# Altium PCB PCB5_制版20140402.PcbDoc (part 1 of 5) (continued)
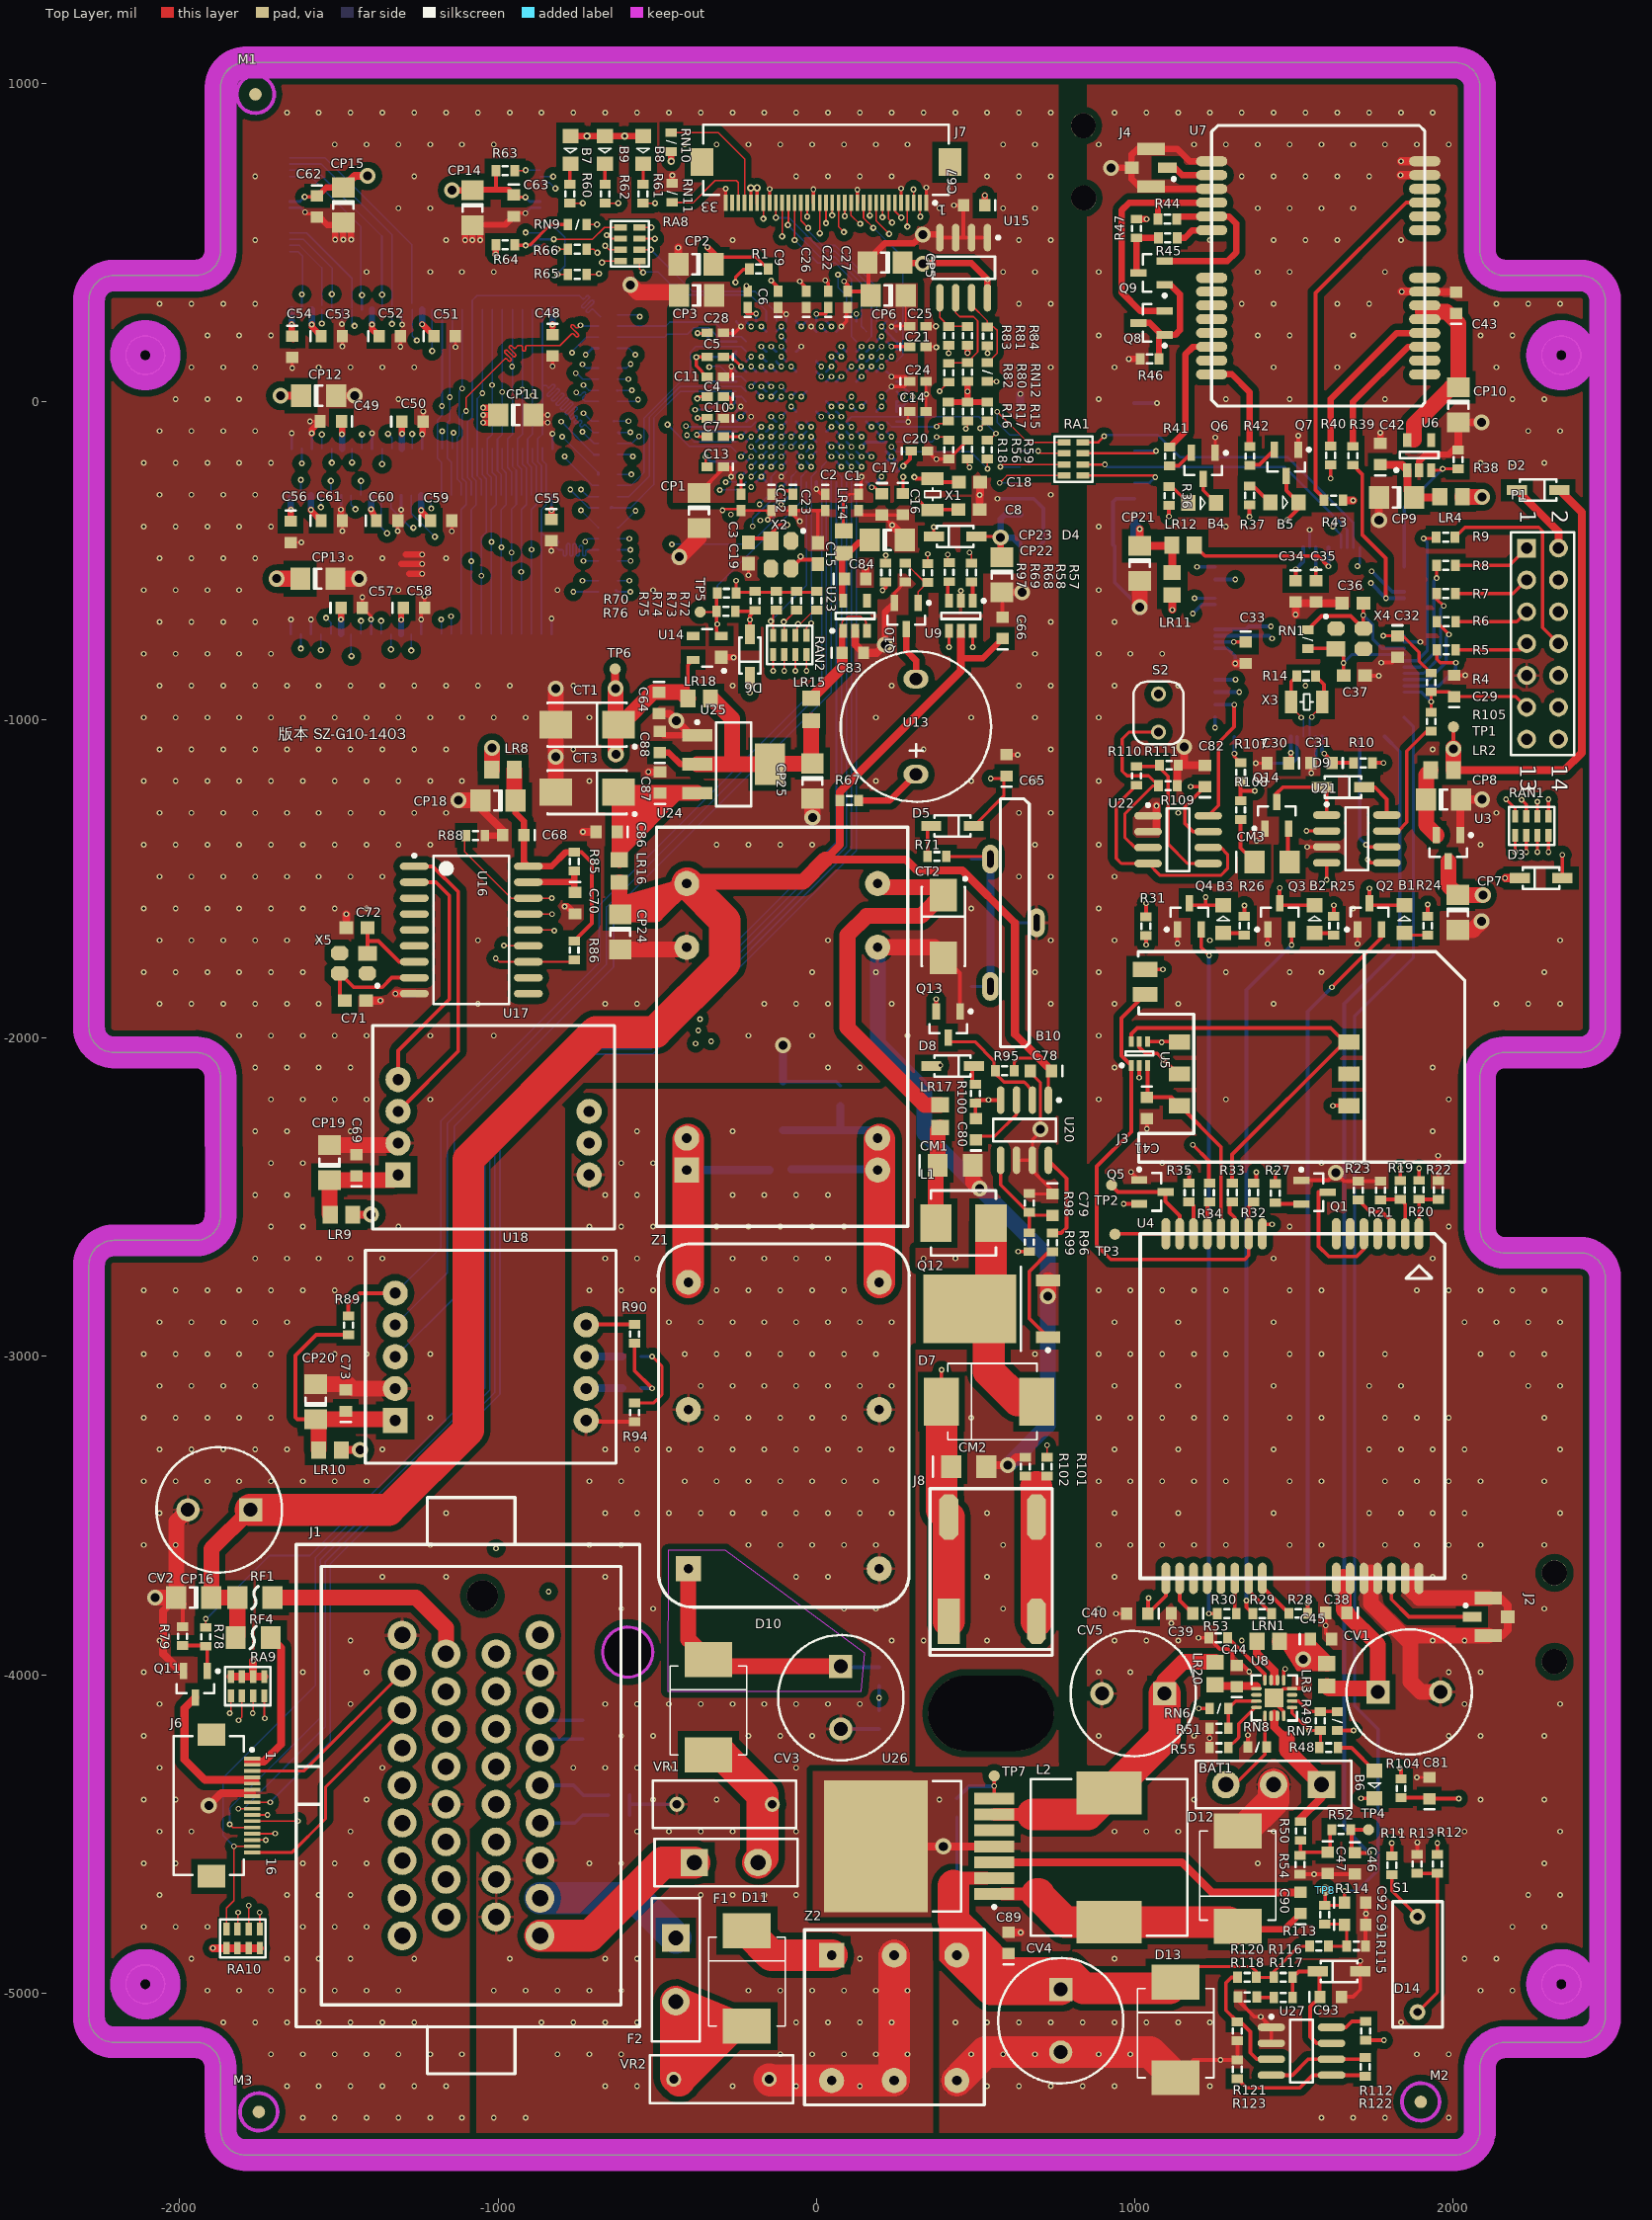
[diagram p0: Top Layer view]
## Components (designator, comment, footprint, x,y, rotation, side; value= is the part's Value field where it differs from the comment)
B1 "RED" 0805LED 1847.76,-1625.96 r90 top
B2 "GREEN" 0805LED 1565.76,-1625.96 r90 top
B3 "RED" 0805LED 1278.76,-1625.96 r90 top
B4 "GREEN" 0805LED 1211.76,-318.23 r0 top
B5 "RED" 0805LED 1470.76,-316.23 r0 top
B6 "RED" 0805LED 1753.76,-4345.23 r270 top
B7 "GREEN" 0805LED -772.64,791.06 r270 top
B8 "GREEN" 0805LED -544.27,791.06 r270 top
B9 "GREEN" 0805LED -664.34,791.06 r270 top
B10 "BATTERY" BR2032-1GV 546.76,-1437.23 r270 top
BAT1 "18650/5000mAH/3.7V" BAT_3 1586.76,-4345.23 r180 top
C1 "C1005X7R1H104K" 1005[0402]C 132.76,-316.28 r270 top
C2 "C1005X7R1H104K" 1005[0402]C 28,-316 r270 top
C3 "C1005X7R1H104K" 1005[0402]C -236.24,-316.28 r270 top
C4 "C1005X7R1H104K" 1005[0402]C -317.24,15.42 r180 top
C5 "C1005X7R1H104K" 1005[0402]C -317.24,140.54 r180 top
C6 "C1005X7R1H104K" 1005[0402]C -215.5,321 r90 top
C7 "C1005X7R1H104K" 1005[0402]C -317.24,-110.46 r180 top
C8 "C1608C0G1H150J" 1608[0603] 480,-339 r0 top
C9 "C1005X7R1H104K" 1005[0402]C -120.5,321 r90 top
C10 "C1005X7R1H104K" 1005[0402]C -317.24,-52.58 r180 top
C11 "C1005X7R1H104K" 1005[0402]C -317.24,77.54 r180 top
C12 "C1005X7R1H104K" 1005[0402]C -141.24,-316.28 r270 top
C13 "C1005X7R1H104K" 1005[0402]C -317.24,-204.72 r180 top
C14 "C1005X7R1H104K" 1005[0402]C 319.45,-30.51 r0 top
C15 "C1608C0G1H150J" 1608[0603] 4.76,-477.23 r90 top
C16 "C1608X7R1H222K" 1608[0603]C 272,-322 r270 top
C17 "C1608X7R1H681K" 1608[0603]C 206,-323 r270 top
C18 "C1608C0G1H150J" 1608[0603] 481,-253 r0 top
C19 "C1608C0G1H150J" 1608[0603] -213.24,-476.23 r270 top
C20 "C1005X7R1H104K" 1005[0402]C 323.76,-155.23 r0 top
C21 "C1005X7R1H104K" 1005[0402]C 319.45,172.74 r0 top
C22 "C1005X7R1H104K" 1005[0402]C 37.5,321 r90 top
C23 "C1005X7R1H104K" 1005[0402]C -73.24,-316.28 r270 top
C24 "C1005X7R1H104K" 1005[0402]C 319.45,63.98 r0 top
C25 "C1005X7R1H104K" 1005[0402]C 319.45,236.72 r0 top
C26 "C1005X7R1H104K" 1005[0402]C -31.5,321 r90 top
C27 "C1005X7R1H104K" 1005[0402]C 98.5,321 r90 top
C28 "C1005X7R1H104K" 1005[0402]C -317.24,216.72 r180 top
C29 "C1608X7R1H104K" 1608[0603]C 2003.76,-893.23 r90 top
C30 "C1608X7R1H104K" 1608[0603]C 1450,-1136 r180 top
C31 "C1608X7R1H104K" 1608[0603]C 1587,-1135 r180 top
C32 "C1608X7R1H104K" 1608[0603]C 1826,-770 r270 top
C33 "C1608X7R1H104K" 1608[0603]C 1349,-789 r270 top
C34 "C1608X7R1H104K" 1608[0603]C 1505.76,-596.23 r270 top
C35 "C1608X7R1H104K" 1608[0603]C 1570,-596 r270 top
C36 "C1608C0G1H150J" 1608[0603] 1685,-633 r180 top
C37 "C1608C0G1H150J" 1608[0603] 1690,-861 r0 top
C38 "C1608X7R1H104K" 1608[0603]C 1634,-3806 r180 top
C39 "C1608X7R1H104K" 1608[0603]C 1148.76,-3807.23 r180 top
C40 "C1608X7R1H104K" 1608[0603]C 1008.76,-3808.23 r180 top
C41 "C1608X7R1H104K" 1608[0603]C 1038.76,-2219.23 r270 top
C42 "C1608X7R1H104K" 1608[0603]C 1772,-165 r90 top
C43 "C1608X7R1H104K" 1608[0603]C 2010,311 r90 top
C44 "C1608X7R1H104K" 1608[0603]C 1321,-4004 r90 top
C45 "C1608X7R1H104K" 1608[0603]C 1585.76,-3888.23 r0 top
C46 "C1608X7R1H104K" 1608[0603]C 1692,-4593 r270 top
C47 "C1608X7R1H104K" 1608[0603]C 1607,-4591 r270 top
C48 "C1608X7R1H104K" 1608[0603]C -828.5,177 r270 top
C49 "C1608X7R1H104K" 1608[0603]C -1525.5,-62 r180 top
C50 "C1608X7R1H104K" 1608[0603]C -1268.5,-62.5 r0 top
C51 "C1608X7R1H104K" 1608[0603]C -1167.5,206 r0 top
C52 "C1608X7R1H104K" 1608[0603]C -1340.5,206 r0 top
C53 "C1608X7R1H104K" 1608[0603]C -1522.5,206 r0 top
C54 "C1608X7R1H104K" 1608[0603]C -1646.5,172 r270 top
C55 "C1608X7R1H104K" 1608[0603]C -832.5,-404 r270 top
C56 "C1608X7R1H104K" 1608[0603]C -1651.5,-409 r270 top
C57 "C1608X7R1H104K" 1608[0603]C -1459.5,-648 r0 top
C58 "C1608X7R1H104K" 1608[0603]C -1264.5,-648 r0 top
C59 "C1608X7R1H104K" 1608[0603]C -1178.5,-374 r0 top
C60 "C1608X7R1H104K" 1608[0603]C -1348.5,-374 r0 top
C61 "C1608X7R1H104K" 1608[0603]C -1522.5,-374 r0 top
C62 "C1608X7R1H104K" 1608[0603]C -1568.87,612.75 r270 top
C63 "C1608X7R1H104K" 1608[0603]C -950.76,615.71 r270 top
C64 "C1608X7R1H104K" 1608[0603]C -494,-947 r270 top
C65 "C1608X7R1H104K" 1608[0603]C 598,-1143 r90 top
C66 "C1608X7R1H104K" 1608[0603]C 585,-711 r90 top
C67 "C1608X7R1H104K" 1608[0603]C 495.76,616.77 r180 top
C68 "C1608X7R1H104K" 1608[0603]C -952,-1362 r180 top
C69 "C1608X7R1H104K" 1608[0603]C -1445,-2399 r90 top
C70 "C1608X7R1H104K" 1608[0603]C -758,-1576 r270 top
C71 "C1608C0G1H150J" 1608[0603] -1448,-1882 r0 top
C72 "C1608C0G1H150J" 1608[0603] -1443,-1653 r180 top
C73 "C1608X7R1H104K" 1608[0603]C -1478,-3139 r90 top
C74 "C1608X7R1H681K" 1608[0603]C -620.05,-4378.39 r0 bottom
C75 "C1608X7R1H681K" 1608[0603]C -621.04,-4441.38 r0 bottom
C76 "C1608X7R1H104K" 1608[0603]C 971,-455 r180 bottom
C77 "C1608X7R1H104K" 1608[0603]C 672,-448 r0 bottom
C78 "C1608X7R1H104K" 1608[0603]C 706,-2103 r180 top
C79 "C1608X7R1H104K" 1608[0603]C 742,-2523 r270 top
C80 "C1608X7R1H104K" 1608[0603]C 501,-2286 r90 top
C81 "C1608X7R1H104K" 1608[0603]C 1926,-4356 r90 top
C82 "C1608X7R1H104K" 1608[0603]C 1220.76,-1176.23 r90 top
C83 "C1608X7R1H104K" 1608[0603]C 114.76,-789.23 r0 top
C84 "C1608X7R1H104K" 1608[0603]C 121.54,-557 r0 top
C85 "C1608X7R1H104K" 1608[0603]C -111.24,-2412.23 r0 bottom
C86 "C1608X7R1H104K" 1608[0603]C -659,-1352 r180 top
C87 "C1608X7R1H104K" 1608[0603]C -491,-1197 r90 top
C88 "C1608X7R1H104K" 1608[0603]C -492,-1069 r90 top
C89 "C1608X7R1H104K" 1608[0603]C 604,-4843 r90 top
C90 "C1608X7R1H104K" 1608[0603]C 1521,-4717 r90 top
C91 "C1608X7R1H104K" 1608[0603]C 1693,-4786 r0 top
C92 "C1608X7R1H104K" 1608[0603]C 1693,-4716 r0 top
C93 "C1608X7R1H104K" 1608[0603]C 1616,-5012 r0 top
CM1 "GRM31CR71H475KA12L" 3216[1206]C 436,-2399 r0 top
CM2 "GRM31CR71H475KA12L" 3216[1206]C 478.76,-3346.23 r0 top
CM3 "GRM31CR71H475KA12L" 3216[1206]C 1431.76,-1446.23 r0 top
CM4 "1812HC102MAZ1A" 4532[1812]CA -105,-2213 r270 bottom
CP1 "TAJA106K016RNJ" 3216[1206]CB -369,-342 r270 top
CP2 "TAJA106K016RNJ" 3216[1206]CB -378.24,431.72 r180 top
CP3 "TAJA106K016RNJ" 3216[1206]CB -376.24,333.72 r180 top
CP5 "TAJA106K016RNJ" 3216[1206]CB 216,437 r180 top
CP6 "TAJA106K016RNJ" 3216[1206]CB 225.64,333.77 r180 top
CP7 "TAJA106K016RNJ" 3216[1206]CB 2015.76,-1605.11 r270 top
CP8 "TAJA106K016RNJ" 3216[1206]CB 1970.76,-1250.23 r0 top
CP9 "TAJA106K016RNJ" 3216[1206]CB 1823,-301 r180 top
CP10 "TAJA106K016RNJ" 3216[1206]CB 2016.76,-10.23 r270 top
CP11 "TAJA106K016RNJ" 3216[1206]CB -944.5,-42 r0 top
CP12 "TAJA106K016RNJ" 3216[1206]CB -1563.24,18.72 r0 top
CP13 "TAJA106K016RNJ" 3216[1206]CB -1566.24,-556.28 r0 top
CP14 "TAJA106K016RNJ" 3216[1206]CB -1080,609 r270 top
CP15 "TAJA106K016RNJ" 3216[1206]CB -1486,618 r270 top
CP16 "TAJA106K016RNJ" 3216[1206]CB -1956,-3758 r180 top
CP18 "TAJA106K016RNJ" 3216[1206]CB -1000,-1253 r180 top
CP19 "TAJA106K016RNJ" 3216[1206]CB -1530,-2391 r90 top
CP20 "TAJA106K016RNJ" 3216[1206]CB -1573,-3142 r90 top
CP21 "TAJA106K016RNJ" 3216[1206]CB 1016,-508 r270 top
CP22 "TAJA106K016RNJ" 3216[1206]CB 583,-544 r270 top
CP23 "TAJA106K016RNJ" 3216[1206]CB 222.88,-435 r0 top
CP24 "10uF/16V" 3216[1206]CB -616,-1666 r270 top
CP25 "10uF/16V" 3216[1206]CB -12.24,-1192.23 r270 top
CT1 "TAJC107K016RNJ" 6032[2312]CC -720,-1015 r180 top
CT2 "TAJC107K016RNJ" 6032[2312]CC 399,-1649 r270 top
CT3 "TAJC107K016RNJ" 6032[2312]CC -720,-1227 r180 top
CV1 "EEUFC1A122" CAPPR5-10X20/H1.1 1862.76,-4054.23 r0 top
CV2 "EEU-FM1V221" CAPPR5-10X20/H1.1 -1876,-3482 r180 top
CV3 "EEU-FM1H271" CAPPR5-10X20/H1.1 76.76,-4072.28 r270 top
CV4 "EEU-FM1H271" CAPPR5-10X20/H1.1 767.76,-5087.23 r270 top
CV5 "EEU-FM1V221" CAPPR5-10X20/H1.1 995.76,-4059.23 r180 top
D2 "1N4148W-V-GS08" SOD123 2268,-278 r0 top
D3 "1N4148W-V-GS08" SOD123 2277,-1497 r180 top
D4 "1N4148W-V-GS08" SOD123 436,-424 r180 top
D5 "1N4148W-V-GS08" SOD123 427.76,-1333.23 r0 top
D6 "1N4148W-V-GS08" SOD123 -209,-798 r270 top
D7 "SS36-E3/57T" DO-214AB/SMC 543,-3142 r180 top
D8 "1N4148W-V-GS08" SOD123 428,-2087 r0 top
D9 "1N4148W-V-GS08" SOD123 1654.76,-1211.23 r0 top
D10 "IN5408" DO-214AB/SMC -339.24,-4102.23 r90 top
D11 "IN5408" DO-214AB/SMC -218.24,-4954.23 r90 top
D12 "SS36-E3/57T" DO-214AB/SMC 1324,-4641 r270 top
D13 "SMCJ48A-E3/57T" DO-214AB/SMC 1128.76,-5116.23 r90 top
D14 "1N4148W-V-GS08" SOD123 1642,-4932 r180 top
F1 "60R090XU" FUS-0.2 -283.24,-4590.23 r0 top
F2 "72R090XU" FUS-0.2 -441.24,-4927.23 r270 top
J1 "2-6447232-3" 2-6447232-3 -1084.62,-4348.58 r270 top locked
J2 "MHF Plug" MHF[MCB3]-V4 2111,-3818 r270 top
J3 "MUP-C745" MUP-C745 1141.26,-2212.23 r90 top
J4 "MHF Plug" MHF[MCB3]-V4 1052,735 r90 top
J6 "1-1734592-6" FFC/SM0.5-2H16 -1837,-4411 r270 top
J7 "FFC33" FFC/SM0.5-2H33 30.38,688.42 r180 top
J8 "JST" JST 553.76,-3668.23 r180 top
L1 "SLF6045T-220M1R1-3PF" INDP5050X28N 462,-2581 r0 top
L2 "B82477P4683M000" INDP125125X85N 919.76,-4574.23 r90 top
LR2 "MPZ2012S221A" 2012[0805] 1966,-1158 r180 top
LR3 "MPZ2012S221A" 2012[0805] 1603.76,-4000.23 r270 top
LR4 "MPZ2012S221A" 2012[0805] 1994,-299 r180 top
LR8 "MPZ2012S221A" 2012[0805] -984,-1156 r0 top
LR9 "MPZ2012S221A" 2012[0805] -1492,-2555 r180 top
LR10 "MPZ2012S221A" 2012[0805] -1528,-3294 r180 top
LR11 "MPZ2012S221A" 2012[0805] 1118,-572 r270 top
LR12 "MPZ2012S221A" 2012[0805] 1152,-451 r180 top
LR14 "MPZ2012S221A" 2012[0805] 86,-441 r90 top
LR15 "MPZ2012S221A" 2012[0805] -16.24,-967.23 r270 top
LR16 "MPZ2012S221A" 2012[0805] -619,-1475 r90 top
LR17 "MPZ2012S221A" 2012[0805] 389,-2245 r270 top
LR18 "MPZ2012S221A" 2012[0805] -368,-933 r180 top
LR20 "MPZ2012S221A" 2012[0805] 1253,-3996 r270 top
LRN1 "MPZ2012S221A" 2012[0805] 1419.76,-3895.23 r0 top
M1 "MARK" MARK -1762.24,965.72 r0 top
M2 "MARK" MARK 1899,-5342 r0 top
M3 "MARK" MARK -1751.67,-5373.64 r0 top
P1 "0-281272-1" HDR2X7 2231.76,-460.23 r270 top
Q1 "2N3904" SOT23_N 1565,-2484 r0 top
Q2 "2N3904" SOT23_N 1737.76,-1617.23 r90 top
Q3 "2N3904" SOT23_N 1455.76,-1617.23 r90 top
Q4 "2N3904" SOT23_N 1171.76,-1617.23 r90 top
Q5 "2N3904" SOT23_N 1055.76,-2483.23 r0 top
Q6 "2N3904" SOT23_N 1215.76,-202.23 r270 top
Q7 "2N3904" SOT23_N 1476.76,-192.23 r270 top
Q8 "MMBT3906LT1G" SOT23_N 1053,247 r180 top
Q9 "MMBT3906LT1G" SOT23_N 1053,404 r180 top
Q10 "SI2302CDS-T1-E3" SOT23_N 282.6,-673.34 r270 top
Q11 "SI2302CDS-T1-E3" SOT23_N -1951,-4030 r270 top
Q12 "STU3030" TO-252AA_N 550.76,-2850.23 r180 top
Q13 "2N3904" SOT23_N 414,-1957 r270 top
Q14 "2N3904" SOT23_N 1447,-1300 r90 top
R1 "CRCW060310K0FKEA" 1608[0603]R -181.24,416.72 r180 top
R4 "CRCW060310K0FKEA" 1608[0603]R 1931.76,-882.23 r270 top
R5 "CRCW06031K00FKEA" 1608[0603]R 1979.06,-780 r0 top
R6 "CRCW06031K00FKEA" 1608[0603]R 1979,-691.5 r180 top
R7 "CRCW06031K00FKEA" 1608[0603]R 1978,-603 r180 top
R8 "CRCW06031K00FKEA" 1608[0603]R 1978,-514.5 r180 top
R9 "CRCW06031K00FKEA" 1608[0603]R 1977,-426 r180 top
R10 "CRCW06030000ZSTA" 1608[0603]R 1718,-1135 r180 top
R11 "CRCW0603300KFKEA" 1608[0603]R 1808,-4598.7 r270 top
R12 "CRCW06031K00FKEA" 1608[0603]R 1951,-4594.7 r270 top
R13 "CRCW06031M00FKEA" 1608[0603]R 1888,-4594.7 r270 top
R14 "CRCW06031M00FKEA" 1608[0603]R 1539,-862 r0 top
R15 "CRCW060310K0FKEA" 1608[0603]R 536.76,-31 r270 top
R16 "CRCW060310K0FKEA" 1608[0603]R 414.76,-31 r270 top
R17 "CRCW060310K0FKEA" 1608[0603]R 475,-31 r270 top
R18 "CRCW060310K0FKEA" 1608[0603]R 415.76,-151 r270 top
R19 "CRCW06031K00FKEA" 1608[0603]R 1834.76,-2477.23 r270 top
R20 "CRCW06031K00FKEA" 1608[0603]R 1893.76,-2476.23 r270 top
R21 "CRCW060310K0FKEA" 1608[0603]R 1772.76,-2478.23 r90 top
R22 "CRCW060310K0FKEA" 1608[0603]R 1953.76,-2477.23 r90 top
R23 "CRCW06030000ZSTA" 1608[0603]R 1702.76,-2478.23 r270 top
R24 "CRCW060310K0FKEA" 1608[0603]R 1920.76,-1646.76 r90 top
R25 "CRCW060310K0FKEA" 1608[0603]R 1625.76,-1646.76 r90 top
R26 "CRCW060310K0FKEA" 1608[0603]R 1344.76,-1646.76 r90 top
R27 "CRCW060310K0FKEA" 1608[0603]R 1442.11,-2487 r270 top
R28 "CRCW060310K0FKEA" 1608[0603]R 1514.28,-3807.23 r0 top
R29 "CRCW060310K0FKEA" 1608[0603]R 1400.76,-3808.23 r180 top
R30 "CRCW060310K0FKEA" 1608[0603]R 1289.76,-3808.23 r180 top
R31 "CRCW060310K0FKEA" 1608[0603]R 1035.76,-1648.23 r270 top
R32 "CRCW0603100KFKEA" 1608[0603]R 1374.33,-2485 r270 top
R33 "CRCW060322R0FKEA" 1608[0603]R 1306.55,-2485 r90 top
R34 "CRCW060322R0FKEA" 1608[0603]R 1235,-2485 r90 top
R35 "CRCW060322R0FKEA" 1608[0603]R 1171,-2485 r90 top
R36 "CRCW060310K0FKEA" 1608[0603]R 1108,-296 r270 top
R37 "CRCW060310K0FKEA" 1608[0603]R 1361,-295 r270 top
R38 "CRCW0603100KFKEA" 1608[0603]R 2016,-182 r90 top
R39 "CRCW06031K00FKEA" 1608[0603]R 1686,-170 r270 top
R40 "CRCW06031K00FKEA" 1608[0603]R 1616,-169 r270 top
R41 "CRCW060310K0FKEA" 1608[0603]R 1110,-172 r270 top
R42 "CRCW060310K0FKEA" 1608[0603]R 1362,-171 r270 top
R43 "CRCW060310K0FKEA" 1608[0603]R 1625,-310 r0 top
R44 "CRCW060322R0FKEA" 1608[0603]R 1103,574 r0 top
R45 "CRCW060310K0FKEA" 1608[0603]R 1104,515 r180 top
R46 "CRCW060310K0FKEA" 1608[0603]R 1047,134 r0 top
R47 "CRCW0603100KFKEA" 1608[0603]R 1006,544 r90 top
R48 "CRCW060310K0FKEA" 1608[0603]R 1609.76,-4229.23 r0 top
R49 "CRCW0603100KFKEA" 1608[0603]R 1583.76,-4145.23 r90 top
R50 "CRCW06031M00FKEA" 1608[0603]R 1521,-4491 r90 top
R51 "CRCW060310K0FKEA" 1608[0603]R 1265.23,-4167.73 r180 top
R52 "CRCW06031K00FKEA" 1608[0603]R 1649,-4487 r180 top
R53 "CRCW06031K00FKEA" 1608[0603]R 1262.76,-3884.23 r180 top
R54 "CRCW06031M00FKEA" 1608[0603]R 1520,-4597 r90 top
R55 "CRCW06031K00FKEA" 1608[0603]R 1265.23,-4229.23 r180 top
R56 "CRCW0603300KFKEA" 1608[0603]R 475,-150 r90 top
R57 "CRCW060322R0FKEA" 1608[0603]R 487,-537 r270 top
R58 "CRCW060322R0FKEA" 1608[0603]R 417,-536 r270 top
R59 "CRCW06031K00FKEA" 1608[0603]R 537.76,-151 r90 top
R60 "CRCW060310K0FKEA" 1608[0603]R -774.61,653.27 r270 top
R61 "CRCW060310K0FKEA" 1608[0603]R -544.76,653.27 r270 top
R62 "CRCW060310K0FKEA" 1608[0603]R -663.36,653.27 r270 top
R63 "CRCW060310K0FKEA" 1608[0603]R -977.34,725.94 r0 top
R64 "CRCW060310K0FKEA" 1608[0603]R -977.34,492.68 r0 top
R65 "CRCW060322R0FKEA" 1608[0603]R -750.96,400.16 r0 top
R66 "CRCW060322R0FKEA" 1608[0603]R -750.96,478.4 r0 top
R67 "CRCW06030000ZSTA" 1608[0603]R 103.76,-1253.23 r180 top
R68 "CRCW060322R0FKEA" 1608[0603]R 350,-538 r270 top
R69 "CRCW060310K0FKEA" 1608[0603]R 280,-537 r270 top
R70 "CRCW060310K0FKEA" 1608[0603]R -282,-602 r180 top
R71 "CRCW060310K0FKEA" 1608[0603]R 378.76,-1429.23 r180 top
R72 "CRCW060310K0FKEA" 1608[0603]R 1.76,-625.28 r270 top
R73 "CRCW060310K0FKEA" 1608[0603]R -62.24,-625.28 r270 top
R74 "CRCW060310K0FKEA" 1608[0603]R -126.24,-625.28 r270 top
R75 "CRCW060310K0FKEA" 1608[0603]R -192,-626 r270 top
R76 "CRCW0603120RFKEA" 1608[0603]R -284,-659 r180 top
R78 "CRCW060322R0FKEA" 1608[0603]R -1918.05,-3881 r90 top
R79 "CRCW060310K0FKEA" 1608[0603]R -1991,-3879 r90 top
R80 "CRCW06031K00FKEA" 1608[0603]R 475,92.77 r90 top
R81 "CRCW06031K00FKEA" 1608[0603]R 475,206.77 r90 top
R82 "CRCW060322R0FKEA" 1608[0603]R 415.76,90.77 r270 top
R83 "CRCW060322R0FKEA" 1608[0603]R 415.76,206.77 r270 top
R84 "CRCW060310K0FKEA" 1608[0603]R 537.76,205.24 r90 top
R85 "CRCW060310K0FKEA" 1608[0603]R -760,-1445 r90 top
R86 "CRCW060310K0FKEA" 1608[0603]R -761,-1724 r270 top
R87 "CRCW0603120RFKEA" 1608[0603]R -734.23,-4172.68 r270 bottom
R88 "CRCW060310K0FKEA" 1608[0603]R -1071,-1363 r0 top
R89 "CRCW060310K0FKEA" 1608[0603]R -1470,-2902 r90 top
R90 "CRCW06031K00FKEA" 1608[0603]R -571,-2929 r90 top
R91 "CRCW060322R0FKEA" 1608[0603]R -580.3,-2999.93 r180 bottom
R92 "CRCW0603120RFKEA" 1608[0603]R -731.27,-4408.9 r270 bottom
R93 "CRCW060322R0FKEA" 1608[0603]R -580.3,-3100 r180 bottom
R94 "CRCW06031K00FKEA" 1608[0603]R -571,-3176 r270 top
R95 "CRCW0603300KFKEA" 1608[0603]R 592,-2102 r180 top
R96 "CRCW060322R0FKEA" 1608[0603]R 742,-2642 r90 top
R97 "CRCW060310K0FKEA" 1608[0603]R 218,-537 r270 top
R98 "CRCW060315K0FKEA" 1608[0603]R 669,-2518 r270 top
R99 "CRCW0603300KFKEA" 1608[0603]R 669,-2641 r90 top
R100 "CRCW0603300KFKEA" 1608[0603]R 500,-2174 r90 top
R101 "CRCW060310K0FKEA" 1608[0603]R 724.76,-3346.23 r270 top
R102 "CRCW06032R00FKEA" 1608[0603]R 656.76,-3346.23 r90 top
R103 "CRCW0603100KFKEA" 1608[0603]R 197.22,-4006.13 r270 bottom
R104 "CRCW06031K00FKEA" 1608[0603]R 1837,-4357 r270 top
R105 "CRCW0603120RFKEA" 1608[0603]R 1931.76,-1005.23 r90 top
R106 "CRCW060315K0FKEA" 1608[0603]R 197.22,-4140.6 r270 bottom
R107 "CRCW060310KFKEA" 1608[0603]R 1332.76,-1164.23 r90 top
R108 "CRCW06031K00FKEA" 1608[0603]R 1332.76,-1283.23 r270 top
R109 "CRCW060315K0FKEA" 1608[0603]R 1104.76,-1207.23 r0 top
R110 "CRCW060310K0FKEA" 1608[0603]R 1005.76,-1175.76 r270 top
R111 "CRCW060310K0FKEA" 1608[0603]R 1107.76,-1142.23 r0 top
R112 "CRCW060322R0FKEA" 1608[0603]R 1726,-5119 r270 top
R113 "CRCW06031M00FKEA" 1608[0603]R 1579,-4853 r180 top
R114 "CRCW06031K00FKEA" 1608[0603]R 1597,-4754 r90 top
R115 "CRCW0603100KFKEA" 1608[0603]R 1696,-4852 r180 top
R116 "CRCW0603100KFKEA" 1608[0603]R 1467,-4951 r180 top
R117 "CRCW060315K0FKEA" 1608[0603]R 1467,-5014 r180 top
R118 "CRCW060315K0FKEA" 1608[0603]R 1354,-5013 r180 top
R119 "CRCW06031M00FKEA" 1608[0603]R 76,-2180.47 r90 bottom
R120 "CRCW0603249KFKEA" 1608[0603]R 1353,-4951 r0 top
R121 "CRCW060315K0FKEA" 1608[0603]R 1323,-5120 r270 top
R122 "CRCW060310K0FKEA" 1608[0603]R 1724,-5232 r90 top
R123 "CRCW060310K0FKEA" 1608[0603]R 1323,-5240 r90 top
RA1 "CRA06S08322R0JTA" R-AR4 808,-180 r90 top
RA2 "CRA06S08322R0JTA" R-AR4 -655.13,220.14 r270 bottom
RA3 "CRA06S08322R0JTA" R-AR4 -655.13,53.08 r270 bottom
RA4 "CRA06S08322R0JTA" R-AR4 -655.13,-113.98 r270 bottom
RA5 "CRA06S08322R0JTA" R-AR4 -655.13,-281.04 r270 bottom
RA6 "CRA06S08322R0JTA" R-AR4 -655.13,-448.1 r270 bottom
RA7 "CRA06S08322R0JTA" R-AR4 -655.13,-615.16 r270 bottom
RA8 "CRA06S08322R0JTA" R-AR4 -585.6,494.64 r270 top
RA9 "CRA06S08310K0JTA" R-AR4 -1787,-4036 r180 top
RA10 "CRA06S08310K0JTA" R-AR4 -1801,-4829 r0 top
RAN1 "CRA06S08322R0JTA" R-AR4 2248,-1333 r0 top
RAN2 "CRA06S08322R0JTA" R-AR4 -83.24,-764.23 r0 top
RF1 "0805L050WR" 2012[0805]F -1764,-3758 r0 top
RF4 "0805L050WR" 2012[0805]F -1769,-3883 r180 top
RN1 "CRCW06031M00FKEA" 1608[0603]RN 1544,-746 r90 top
RN6 "CRCW060310K0FKEA" 1608[0603]RN 1265.23,-4106.23 r0 top
RN7 "CRCW060310K0FKEA" 1608[0603]RN 1636.76,-4145.23 r270 top
RN8 "CRCW060310K0FKEA" 1608[0603]RN 1385.76,-4227.23 r180 top
RN9 "CRCW060322R0FKEA" 1608[0603]RN -750.96,556.65 r0 top
RN10 "CRCW06030000ZSTA" 1608[0603]RN -455.68,815.51 r90 top
RN11 "CRCW06030000ZSTA" 1608[0603]RN -452.73,656.06 r90 top
RN12 "CRCW060322R0FKEA" 1608[0603]RN 537.76,92.77 r270 top
RN13 "CRCW060310K0FKEA" 1608[0603]RN 441.76,-4418.23 r90 bottom
S1 "SW-420" SW-420 1889,-4910 r90 top
S2 "GM4526" GM4526 1074.76,-978.23 r90 top
TP1 "TP" TP 2002,-1022 r90 top
TP2 "TP" TP 928,-2461 r90 top
TP3 "TP" TP 938,-2616 r90 top
TP4 "TP" TP 1735,-4487 r90 top
TP5 "TP" TP -365,-661 r90 top
TP6 "TP" TP -632,-840 r90 top
TP7 "TP" TP 559,-4318 r90 top
TP8 "TP" TP 1599,-4677 r90 top
U1 "S3C2440X" BGA289 0,0 r270 bottom locked
U2 "MSP430F5438IPZ" TQFP100_N 1549.76,-755.23 r90 bottom
U3 "AS1360-33-T" SOT23_N 1985.76,-1403.23 r270 top
U4 "M72-D" M72D 1495.86,-3155.89 r270 top
U5 "SMF05CT1G" SOT363-6N 1014.76,-2048.23 r90 top
U6 "LP5951MF-3.3/NOPB" MF05A_N 1894,-168 r90 top
U7 "EB-5662RE" EB-5662RE 1576.76,402.77 r0 top
U8 "BQ24073TRGTT" BQ24073 1438.76,-4073.23 r90 top
U9 "USBLC6-2SC6" SOT26A-6N 454,-673 r270 top
U10 "K4S561632C-TC75 (32MB)" TSOP80P1180X120-54N -1238.5,71 r270 bottom
U11 "K4S561632C-TC75 (32MB)" TSOP80P1180X120-54N -1241.5,-512 r270 bottom
U12 "MT29F2G08ABAEAWP-IT:E TR" TSOP48 -1261.32,618.72 r180 bottom locked
U13 "SD1209T3-A1" SPEAKER 313.02,-1021.1 r90 top locked
U14 "MAX811LEUS+T" SOT143_N -343,-774 r180 top
U15 "AT24C64D-SSHM-T" SOIC8_N 462.76,420.77 r270 top
U16 "MCP2515-E/SO" SOIC18W_N -1084,-1660 r0 top
U17 "CTM1051LA" DIP-7(8)W -1014,-2280 r0 top
U18 "RSM485E" DIP-9(10)W -1023,-3001 r0 top
U19 "ADUM2401ARWZ" SOIC16W_N 820,-180 r0 bottom
U20 "BIT3251" SOIC8_N 654,-2289 r270 top
U21 "MAX706TESA" NSO8_N 1698,-1374 r0 top
U22 "MAX931ESA" NSO8_N 1136.76,-1376.23 r0 top
U23 "LP5951MFX-1.3/NOPB" MF05A_N 122,-673 r90 top
U24 "VRD240512MP-8W" DIP-7(24)W -107.24,-1964.23 r90 top
U25 "LM1117MPX-3.3/NOPB" MP04A_N -260.24,-1139.23 r0 top
U26 "LM2676S-5.0/NOPB" TS7B_N 322.76,-4539.23 r180 top
U27 "MAX931ESA" NSO8_N 1524,-5183 r0 top
VR1 "MOV-10D390K" RAD-0.3 -288.24,-4407.28 r180 top
VR2 "MOV-10D390K" RAD-0.3 -298.24,-5271.23 r0 top
X1 "FC-135 32.7680KA-A" FC-135 365,-291 r270 top
X2 "FA-238 16.0000MB-C3" FA-238 -111.24,-481.23 r270 top
X3 "FC-135 32.7680KA-A" FC-135 1540.76,-943.23 r0 top
X4 "FA-238 16.0000MB-C3" FA-238 1676,-745 r0 top
X5 "FA-238 16.0000MB-C3" FA-238 -1454,-1765 r180 top
Z1 "CXDC2-3-100" DIP-6(20)W -102.24,-3217.23 r0 top
Z2 "CXDA1-2-100" CXDA1-2-100 47.91,-4881.23 r270 top

## Footprints (in the part's own frame and the unit in brackets; to place one, negate y for a bottom-side part, rotate by r counter-clockwise, add the part's x,y. Pads: shape width x height; smd on the part's side, far side on the other; paste and mask are expansions set on the pad)
2-6447232-3 [mm]
  round 2.3 hole 1.3: 1(11.982,-5.5) 2(8.982,-5.5) 3(5.982,-5.5) 4(2.982,-5.5) 5(-0.018,-5.5) 6(-3.018,-5.5) 7(-6.018,-5.5) 8(-9.018,-5.5) 9(-12.018,-5.5) 10(10.482,-2) 11(7.482,-2) 12(4.482,-2) 13(1.482,-2) 14(-1.518,-2) 15(-4.518,-2) 16(-7.518,-2) 17(-10.518,-2) 18(10.482,2) 19(7.482,2) 20(4.482,2) 21(1.482,2) 22(-1.518,2) 23(-4.518,2) 24(-7.518,2) 25(-10.518,2) 26(11.982,5.5) 27(8.982,5.5) 28(5.982,5.5) 29(2.982,5.5) 30(-0.018,5.5) 31(-3.018,5.5) 32(-6.018,5.5) 33(-9.018,5.5) 34(-12.018,5.5)
  round 2.5 hole 2.5 unplated: ""(-15.153,0.893)
  silkscreen extent -23,-13.98 23,13.46
0805LED [mil]
  rect 45x50 smd: 1(-43.5,0) 2(43.5,0)
  silkscreen extent -5,-20 10,20, body extent -41,-18 41,18, height 33
1005[0402]C [mm] "Chip Capacitor; Body 1.0 x 0.5 mm (LxW typ)"
  rect 0.9x0.7 smd: 1(-0.65,0) 2(0.65,0)
  silkscreen extent -1.4,-0.25 -1.4,0.25
1608[0603] [mm] "Chip  Body 1.6x0.8mm, IPC Medium Density"
  rect 1.1x1 smd: 1(-0.85,0) 2(0.85,0)
  body extent -1.3,-0.5 1.3,0.5, height 0.53
1608[0603]C [mm]
  rect 0.9x1 smd: 1(-0.85,0) 2(0.85,0)
  silkscreen extent -1.7,-0.4 -1.7,0.4, body extent -1.3,-0.5 1.3,0.5, height 0.89
1608[0603]R [mm] "Chip Resistor, Body 1.6x0.8mm, IPC Medium Density"
  rect 0.7x0.9 smd: 1(-0.75,0) 2(0.75,0)
  silkscreen extent -0.2,-0.35 0.2,0.35, body extent -0.77,-0.42 0.78,0.43, height 0.45
1608[0603]RN [mm] "Chip Resistor, Body 1.6x0.8mm, IPC Medium Density"
  rect 0.7x0.9 smd: 1(-0.75,0) 2(0.75,0)
  silkscreen extent -0.13,-0.38 0.13,0.38, body extent -0.77,-0.42 0.78,0.43, height 0.45
2012[0805] [mm] "Chip  Body 2.0x1.3mm, IPC Medium Density"
  rect 1.2x1.4 smd: 1(-0.9,0) 2(0.9,0)
  body extent -1.07,-0.7 1.07,0.7, height 0.65
2012[0805]F [mm]
  rect 1.6x1.8 smd: 1(-1.4,0) 2(1.4,0)
  silkscreen extent -0.25,-0.89 0.25,0.89, body extent -2.12,-0.9 2.08,0.9, height 0.63
3216[1206]C [mm]
  rect 1.6x1.8 smd: 1(-1.4,0) 2(1.4,0)
  silkscreen extent -2.84,-0.8 -2.84,0.8, body extent -2.1,-0.9 2.1,0.9, height 0.95
3216[1206]CB [mm]
  rect 1.6x1.8 smd: 1(-1.4,0) 2(1.4,0)
  silkscreen extent -0.3,-0.8 0.3,0.8, body extent -2.1,-0.9 2.1,0.9, height 0.95
4532[1812]CA [mm] "Chip Capacitor; Body 4.5 x 3.2 mm (LxW typ)"
  rect 1.9x3.4 smd: 1(-1.95,0) 2(1.95,0)
  silkscreen extent -3.49,-1.6 -3.49,1.6
6032[2312]CC [mm]
  rect 2.6x2.2 smd: 1(-2.5,0) 2(2.5,0)
  silkscreen extent -3.93,-1.75 3.15,1.87, body extent -3.13,-1.56 3.05,1.65, height 2.22
BAT_3 [mm]
  rect 2.2x2.2 hole 1.2: 1(0,0)
  round 2.2 hole 1.2: 2(3.81,0) 3(7.62,0)
  silkscreen extent -2.41,-1.91 10.03,1.91
BGA289 [mm] "BGA, 289-Leads, Body 14."
  round 0.4 smd: A1(-6.4,6.4) A2(-5.6,6.4) A3(-4.8,6.4) A4(-4,6.4) A5(-3.2,6.4) A6(-2.4,6.4) A7(-1.6,6.4) A8(-0.8,6.4) A9(0,6.4) A10(0.8,6.4) A11(1.6,6.4) A12(2.4,6.4) A13(3.2,6.4) A14(4,6.4) A15(4.8,6.4) A16(5.6,6.4) A17(6.4,6.4) B1(-6.4,5.6) B2(-5.6,5.6) B3(-4.8,5.6) B4(-4,5.6) B5(-3.2,5.6) B6(-2.4,5.6) B7(-1.6,5.6) B8(-0.8,5.6) B9(0,5.6) B10(0.8,5.6) B11(1.6,5.6) B12(2.4,5.6) B13(3.2,5.6) B14(4,5.6) B15(4.8,5.6) B16(5.6,5.6) B17(6.4,5.6) C1(-6.4,4.8) C2(-5.6,4.8) C3(-4.8,4.8) C4(-4,4.8) C5(-3.2,4.8) C6(-2.4,4.8) C7(-1.6,4.8) C8(-0.8,4.8) C9(0,4.8) C10(0.8,4.8) C11(1.6,4.8) C12(2.4,4.8) C13(3.2,4.8) C14(4,4.8) C15(4.8,4.8) C16(5.6,4.8) C17(6.4,4.8) D1(-6.4,4) D2(-5.6,4) D3(-4.8,4) D4(-4,4) D5(-3.2,4) D6(-2.4,4) D7(-1.6,4) D8(-0.8,4) D9(0,4) D10(0.8,4) D11(1.6,4) D12(2.4,4) D13(3.2,4) D14(4,4) D15(4.8,4) D16(5.6,4) D17(6.4,4) E1(-6.4,3.2) E2(-5.6,3.2) E3(-4.8,3.2) E4(-4,3.2) E5(-3.2,3.2) E6(-2.4,3.2) E7(-1.6,3.2) E8(-0.8,3.2) E9(0,3.2) E10(0.8,3.2) E11(1.6,3.2) E12(2.4,3.2) E13(3.2,3.2) E14(4,3.2) E15(4.8,3.2) E16(5.6,3.2) E17(6.4,3.2) F1(-6.4,2.4) F2(-5.6,2.4) F3(-4.8,2.4) F4(-4,2.4) F5(-3.2,2.4) F6(-2.4,2.4) F7(-1.6,2.4) F8(-0.8,2.4) F9(0,2.4) F10(0.8,2.4) F11(1.6,2.4) F12(2.4,2.4) F13(3.2,2.4) F14(4,2.4) F15(4.8,2.4) F16(5.6,2.4) F17(6.4,2.4) G1(-6.4,1.6) G2(-5.6,1.6) G3(-4.8,1.6) G4(-4,1.6) G5(-3.2,1.6) G6(-2.4,1.6) G7(-1.6,1.6) G8(-0.8,1.6) G9(0,1.6) G10(0.8,1.6) G11(1.6,1.6) G12(2.4,1.6) G13(3.2,1.6) G14(4,1.6) G15(4.8,1.6) G16(5.6,1.6) G17(6.4,1.6) H1(-6.4,0.8) H2(-5.6,0.8) H3(-4.8,0.8) H4(-4,0.8) H5(-3.2,0.8) H6(-2.4,0.8) H7(-1.6,0.8) H8(-0.8,0.8) H9(0,0.8) H10(0.8,0.8) H11(1.6,0.8) H12(2.4,0.8) H13(3.2,0.8) H14(4,0.8) H15(4.8,0.8) H16(5.6,0.8) H17(6.4,0.8) J1(-6.4,0) J2(-5.6,0) J3(-4.8,0) J4(-4,0) J5(-3.2,0) J6(-2.4,0) J7(-1.6,0) J8(-0.8,0) J9(0,0) J10(0.8,0) J11(1.6,0) J12(2.4,0) J13(3.2,0) J14(4,0) J15(4.8,0) J16(5.6,0) J17(6.4,0) K1(-6.4,-0.8) K2(-5.6,-0.8) K3(-4.8,-0.8) K4(-4,-0.8) K5(-3.2,-0.8) K6(-2.4,-0.8) K7(-1.6,-0.8) K8(-0.8,-0.8) K9(0,-0.8) K10(0.8,-0.8) K11(1.6,-0.8) K12(2.4,-0.8) K13(3.2,-0.8) K14(4,-0.8) K15(4.8,-0.8) K16(5.6,-0.8) K17(6.4,-0.8) L1(-6.4,-1.6) L2(-5.6,-1.6) L3(-4.8,-1.6) L4(-4,-1.6) L5(-3.2,-1.6) L6(-2.4,-1.6) L7(-1.6,-1.6) L8(-0.8,-1.6) L9(0,-1.6) L10(0.8,-1.6) L11(1.6,-1.6) L12(2.4,-1.6) L13(3.2,-1.6) L14(4,-1.6) L15(4.8,-1.6) L16(5.6,-1.6) L17(6.4,-1.6) M1(-6.4,-2.4) M2(-5.6,-2.4) M3(-4.8,-2.4) M4(-4,-2.4) M5(-3.2,-2.4) M6(-2.4,-2.4) M7(-1.6,-2.4) M8(-0.8,-2.4) M9(0,-2.4) M10(0.8,-2.4) M11(1.6,-2.4) M12(2.4,-2.4) M13(3.2,-2.4) M14(4,-2.4) M15(4.8,-2.4) M16(5.6,-2.4) M17(6.4,-2.4) N1(-6.4,-3.2) N2(-5.6,-3.2) N3(-4.8,-3.2) N4(-4,-3.2) N5(-3.2,-3.2) N6(-2.4,-3.2) N7(-1.6,-3.2) N8(-0.8,-3.2) N9(0,-3.2) N10(0.8,-3.2) N11(1.6,-3.2) N12(2.4,-3.2) N13(3.2,-3.2) N14(4,-3.2) N15(4.8,-3.2) N16(5.6,-3.2) N17(6.4,-3.2) P1(-6.4,-4) P2(-5.6,-4) P3(-4.8,-4) P4(-4,-4) P5(-3.2,-4) P6(-2.4,-4) P7(-1.6,-4) P8(-0.8,-4) P9(0,-4) P10(0.8,-4) P11(1.6,-4) P12(2.4,-4) P13(3.2,-4) P14(4,-4) P15(4.8,-4) P16(5.6,-4) P17(6.4,-4) R1(-6.4,-4.8) R2(-5.6,-4.8) R3(-4.8,-4.8) R4(-4,-4.8) R5(-3.2,-4.8) R6(-2.4,-4.8) R7(-1.6,-4.8) R8(-0.8,-4.8) R9(0,-4.8) R10(0.8,-4.8) R11(1.6,-4.8) R12(2.4,-4.8) R13(3.2,-4.8) R14(4,-4.8) R15(4.8,-4.8) R16(5.6,-4.8) R17(6.4,-4.8) T1(-6.4,-5.6) T2(-5.6,-5.6) T3(-4.8,-5.6) T4(-4,-5.6) T5(-3.2,-5.6) T6(-2.4,-5.6) T7(-1.6,-5.6) T8(-0.8,-5.6) T9(0,-5.6) T10(0.8,-5.6) T11(1.6,-5.6) T12(2.4,-5.6) T13(3.2,-5.6) T14(4,-5.6) T15(4.8,-5.6) T16(5.6,-5.6) T17(6.4,-5.6) U1(-6.4,-6.4) U2(-5.6,-6.4) U3(-4.8,-6.4) U4(-4,-6.4) U5(-3.2,-6.4) U6(-2.4,-6.4) U7(-1.6,-6.4) U8(-0.8,-6.4) U9(0,-6.4) U10(0.8,-6.4) U11(1.6,-6.4) U12(2.4,-6.4) U13(3.2,-6.4) U14(4,-6.4) U15(4.8,-6.4) U16(5.6,-6.4) U17(6.4,-6.4)
  silkscreen extent -8.02,-7.25 7.25,7.25, body extent -7.25,-7.25 7.25,7.25, height 1.22
BQ24073 [mm]
  oval 0.85x0.3 smd: 1(-1.425,0.75) 2(-1.425,0.25) 3(-1.425,-0.25) 4(-1.425,-0.75) 9(1.425,-0.75) 10(1.425,-0.25) 11(1.425,0.25) 12(1.425,0.75)
  oval 0.3x0.85 smd: 5(-0.75,-1.425) 6(-0.25,-1.425) 7(0.25,-1.425) 8(0.75,-1.425) 13(0.75,1.425) 14(0.25,1.425) 15(-0.25,1.425) 16(-0.75,1.425)
  round 0.25 all layers, no hole: 8(-0.508,-0.508) 8(-0.508,0.508) 8(0,0) 8(0.508,-0.508) 8(0.508,0.508)
  rect 1.5x1.5 smd: 8(0,0)
  round 0.3 on Top Overlay: 12(-1.27,1.27)
  silkscreen extent -1.8,-1.8 1.8,1.8
BR2032-1GV [mm] "CR2032-1GV"
  oval 2.3x1.3 hole 0.5 slot 1.35 at 0 deg: 1(0,0) 1(10.16,0) 2(5.08,3.7)
  rect 1.52x1.524 smd far side: 1(0,-1.524) 1(10.16,-1.524) 2(5.08,2.286)
  silkscreen extent -4.8,0.8 14.99,3.1, body extent -4.93,-0.1 15.09,3.71, height 21.51
CAPPR5-10X20/H1.1 [mm] "Capacitor, Electrolytic, Radial; Body 10 x 20 mm (Dia.xH typ); Pin Spacing 5 mm (typ)"
  rect 1.85x1.85 hole 1.1: 1(-2.5,0)
  round 1.85 hole 1.1: 2(2.5,0)
  silkscreen extent -5,-5 5,5, body extent -5.08,-5.08 5.08,5.05, height 20.32
CXDA1-2-100 [mm]
  rect 2x2 hole 0.762: 1(0,0)
  round 2 hole 0.762: 2(0,5) 3(0,10) 4(10,0) 5(10,5) 6(10,10)
  silkscreen extent -2.03,-2.16 11.94,12.19
DIP-6(20)W [mm]
  rect 2x2 hole 0.762: 1(-7.62,-11.43)
  round 2 hole 0.762: 2(-7.62,1.27) 3(-7.62,11.43) 4(7.62,-11.43) 5(7.62,1.27) 6(7.62,11.43)
  silkscreen extent -10.01,-14.5 10.01,14.51, body extent -10,-14.54 10.12,14.48, height 10
DIP-7(8)W [mm] "DIP; 8 Leads; Row Spacing 15.24 mm; Pitch 2.54 mm"
  rect 2x2 hole 0.889: 1(-7.62,-3.81)
  round 2 hole 0.889: 2(-7.62,-1.27) 3(-7.62,1.27) 4(-7.62,3.81) 6(7.62,1.27) 7(7.62,-1.27) 8(7.62,-3.81)
  silkscreen extent -9.65,-8.13 9.65,8.13, body extent -9.64,-8.12 9.64,8.15, height 7
DIP-7(24)W [mm]
  round 2 hole 0.762: 2(-11.43,-7.62) 3(-8.89,-7.62) 9(6.35,-7.62) 11(11.43,-7.62) 14(11.43,7.62) 16(6.35,7.62) 22(-8.89,7.62)
  rect 2x2 hole 0.762: 23(-11.43,7.62)
  silkscreen extent -15.93,-10.02 15.93,10.02, body extent -15.97,-10.03 15.94,10.05, height 10
DIP-9(10)W [mm] "DIP; 10 Leads; Row Spacing 15.24 mm; Pitch 2.54 mm"
  rect 2x2 hole 0.889: 1(-7.62,-5.08)
  round 2 hole 0.889: 2(-7.62,-2.54) 3(-7.62,0) 4(-7.62,2.54) 5(-7.62,5.08) 7(7.62,2.54) 8(7.62,0) 9(7.62,-2.54) 10(7.62,-5.08)
  silkscreen extent -10,-8.5 10,8.5
DO-214AB/SMC [mil] "DO-214-AB/SMC; 2 C-Bend Leads; Body 7.9 x 5.9 mm, inc. leads (LxW)"
  rect 110x150 smd: 1(-150,0) 2(150,0)
  silkscreen extent -150,-120 130,120, body extent -170,-124 150,124, height 50
EB-5662RE [mm]
  oval 2.5x0.8 smd: 1(8.5,-8.051) 2(8.5,-6.951) 3(8.5,-5.851) 4(8.5,-4.751) 5(8.5,-3.651) 6(8.5,-2.551) 7(8.5,-1.451) 8(8.5,-0.351) 9(8.5,3.449) 10(8.5,4.549) 11(8.5,5.649) 12(8.5,6.749) 13(8.5,7.849) 14(8.5,8.949) 15(-8.5,8.949) 16(-8.5,7.849) 17(-8.5,6.749) 18(-8.5,5.649) 19(-8.5,4.549) 20(-8.5,3.449) 21(-8.5,-0.351) 22(-8.5,-1.451) 23(-8.5,-2.551) 24(-8.5,-3.651) 25(-8.5,-4.751) 26(-8.5,-5.851) 27(-8.5,-6.951) 28(-8.5,-8.051)
  round 1.3 on Top Overlay: 3(5.588,-8.949)
  round 1 on Top Overlay: ""(9.398,-9.33)
  silkscreen extent -8.51,-10.59 8.5,11.81
FA-238 [mm] "Quartz Crystal, SM; Body 3.4 x 2.7 mm (LxW max)"
  rect 1.5x1.2 smd: 1(-1.1,-0.8)
  oct 1.4x1.15 smd: 2(1.1,-0.8) 3(1.1,0.8) 4(-1.1,0.8)
  silkscreen extent -2.03,1.65 -1.78,1.9
FC-135 [mm] "Quartz Crystal, SM; 2 Leads; Body 3.5 x 1.5 x 0.8mm (LxWxH)"
  rect 1x1.8 smd: 1(-1.25,0) 2(1.25,0)
  silkscreen extent -0.51,-0.64 0.51,0.64
FFC/SM0.5-2H16 [mm]
  rect 0.3x1.3 smd: 1(-3.75,1.625) 2(-3.25,1.625) 3(-2.75,1.625) 4(-2.25,1.625) 5(-1.75,1.625) 6(-1.25,1.625) 7(-0.75,1.625) 8(-0.25,1.625) 9(0.25,1.625) 10(0.75,1.625) 11(1.25,1.625) 12(1.75,1.625) 13(2.25,1.625) 14(2.75,1.625) 15(3.25,1.625) 16(3.75,1.625)
  rect 1.8x2.2 smd: 17(-5.65,-1.625) 18(5.65,-1.625)
  silkscreen extent -5.55,-4.62 5.55,1.75, body extent -5.55,-4.62 5.55,0.97, height 2
FFC/SM0.5-2H33 [mm]
  rect 0.3x1.3 smd: 1(-8,1.625) 2(-7.5,1.625) 3(-7,1.625) 4(-6.5,1.625) 5(-6,1.625) 6(-5.5,1.625) 7(-5,1.625) 8(-4.5,1.625) 9(-4,1.625) 10(-3.5,1.625) 11(-3,1.625) 12(-2.5,1.625) 13(-2,1.625) 14(-1.5,1.625) 15(-1,1.625) 16(-0.5,1.625) 17(0,1.625) 18(0.5,1.625) 19(1,1.625) 20(1.5,1.625) 21(2,1.625) 22(2.5,1.625) 23(3,1.625) 24(3.5,1.625) 25(4,1.625) 26(4.5,1.625) 27(5,1.625) 28(5.5,1.625) 29(6,1.625) 30(6.5,1.625) 31(7,1.625) 32(7.5,1.625) 33(8,1.625)
  rect 1.8x2.2 smd: 34(-9.9,-1.625) 35(9.9,-1.625)
  silkscreen extent -9.8,-4.63 9.8,1.75, body extent -9.8,-4.62 9.8,0.97, height 2
FUS-0.2 [mm]
  rect 2.2x2.2 hole 1.2: 1(-2.54,0)
  round 2.2 hole 1.2: 2(2.54,0)
  silkscreen extent -5.71,-1.91 5.71,1.91
GM4526 [mm]
  round 1.2 hole 0.7: 1(-1.524,0) 2(1.524,0)
  silkscreen extent -2.5,-2 2.5,2
HDR2X7 [mm] "Connector; Header; 7x2 Position"
  rect 1.5x1.5 hole 0.9: 1(0,0)
  round 1.5 hole 0.9: 2(0,2.54) 3(2.54,0) 4(2.54,2.54) 5(5.08,0) 6(5.08,2.54) 7(7.62,0) 8(7.62,2.54) 9(10.16,0) 10(10.16,2.54) 11(12.7,0) 12(12.7,2.54) 13(15.24,0) 14(15.24,2.54)
  silkscreen extent -1.27,-1.27 16.51,3.81
INDP5050X28N [mm]
  rect 2.5x3 smd: 1(-2.2,0) 2(2.2,0)
  silkscreen extent -2.6,-2.6 2.6,2.6, body extent -1.56,-1.53 1.51,1.54, height 2
INDP125125X85N [mm]
  rect 3.4x5.2 smd: 1(-5.15,0) 2(5.15,0)
  silkscreen extent -6.25,-6.25 6.25,6.25, body extent -6.11,-6.13 6.19,6.17, height 5.5
JST [mm]
  rect 1.8x3.6 smd: 1(3.5,4.161)
  oct 1.524x3.6 smd: 1(3.5,-4.161) 2(-3.5,4.161) 2(-3.5,-4.161)
  silkscreen extent -4.77,-6.43 5,6.89, body extent -4.84,-6.41 4.99,6.95, height 1.27
M72D [mm]
  oval 2.5x0.7 smd: 1(-13.75,10.1) 2(-13.75,9) 3(-13.75,7.9) 4(-13.75,6.8) 5(-13.75,5.7) 6(-13.75,4.6) 7(-13.75,3.5) 8(-13.75,-2.4) 9(-13.75,-3.5) 10(-13.75,-4.6) 11(-13.75,-5.7) 12(-13.75,-6.8) 13(-13.75,-7.9) 14(-13.75,-9) 15(-13.75,-10.1) 16(13.75,-10.1) 17(13.75,-9) 18(13.75,-7.9) 19(13.75,-6.8) 20(13.75,-5.7) 21(13.75,-4.6) 22(13.75,-3.5) 23(13.75,-2.4) 24(13.75,3.5) 25(13.75,4.6) 26(13.75,5.7) 27(13.75,6.8) 28(13.75,7.9) 29(13.75,9) 30(13.75,10.1)
  silkscreen extent -13.75,-12.15 13.75,12.15
MARK [mm]
  round 1 smd far side paste+0 mask+1: 1(0,0)
  round 1 smd paste+0 mask+1: 1(0,0)
  Keep-Out Layer circle w0.3: c0,0 r1.5
MF05A_N [mm] "SOT23, 5-Leads, Body 2.9x1.6mm, Pitch 0.95mm, Lead Span 2.8mm, IPC Medium Density"
  rect 1.1x0.65 smd: 1(-1.2,0.95) 2(-1.2,0) 3(-1.2,-0.95) 4(1.2,-0.95) 5(1.2,0.95)
  silkscreen extent -1.32,-1.55 0.25,1.95, body extent -0.9,-1.55 0.9,1.55, height 1.19
MHF[MCB3]-V4 [mm] "Connector; RF Coaxial, MCB SM; 4 Position; Vertical, Body 3.1x3.0mm (LxW)"
  rect 0.8x1.5 smd: 1(0,-1.3)
  rect 1x2.2 smd: 2(-1.5,0) 4(1.5,0)
  rect 1x1.1 smd: 3(0,1.55)
  silkscreen extent -1.02,-1.92 -0.78,-1.67, body extent -1.3,-1.3 1.3,1.3, height 1.3
MP04A_N [mm] "SOT223, 4-Leads, Body 6.5x3.5mm, Pitch 2.3mm, Lead Span 7mm, IPC Medium Density"
  rect 2.4x1 smd: 1(-2.9,2.3) 2(-2.9,0) 3(-2.9,-2.3)
  rect 2.4x3.3 smd: 4(2.9,0)
  silkscreen extent -3.02,-3.35 1.4,3.47, body extent -1.85,-3.35 1.85,3.35, height 1.8
MUP-C745 [mm]
  rect 1.2x1.7 smd: 1(0,0) 2(2.54,0) 3(5.08,0) 5(0,-13.5) 6(2.54,-13.5) 7(5.08,-13.5)
  oval 1.2x1.7 on Top Overlay: 3(-3.429,1.397)
  rect 1.2x2 smd: 4(8.88,2.75) 8(10.88,2.75)
  silkscreen extent -4.5,-22.75 12.32,3.3
NSO8_N [mm]
  oval 2.2x0.6 smd: 1(-2.4,1.905) 2(-2.4,0.635) 3(-2.4,-0.635) 4(-2.4,-1.905) 5(2.4,-1.905) 6(2.4,-0.635) 7(2.4,0.635) 8(2.4,1.905)
  silkscreen extent -2.52,-2.5 0.9,2.88, body extent -2,-2.5 2,2.5, height 1.75
R-AR4 [mil]
  rect 19.68x40 smd: 1(-52.5,-30) 2(-17.5,-30) 3(17.5,-30) 4(52.5,-30) 5(52.5,30) 6(17.5,30) 7(-17.5,30) 8(-52.5,30)
  silkscreen extent -72,-60 70,60, body extent -63,-33 63,30, height 22
RAD-0.3 [mm] "Radial Cap, Thru-Hole; 2 Leads; 0.3 in Pin Spacing"
  round 1.2 hole 0.7: 1(-3.81,0) 2(3.81,0)
  silkscreen extent -5.71,-1.91 5.71,1.91
SOD123 [mm] "SOD-123; 2 Leads; Body 2.7 x 1.6 mm, (LxW)"
  rect 1.6x0.8 smd: 1(-1.7,0) 2(1.7,0)
  silkscreen extent -1.45,-0.85 1.45,0.85